# Altium PCB LimeSDR-XTRX_1v1.PcbDoc (part 6 of 8)
Units mm, origin at the board's own origin, x right, y up, seen from the top; angles counter-clockwise.
Board outline 50.8 x 29.7 mm, 8 copper layers (Top, L2, L3, L4, L5, L6, L7, Bottom), stack 0.925 mm thick; 536 components, 379 nets, 2133 pads, 899 vias.
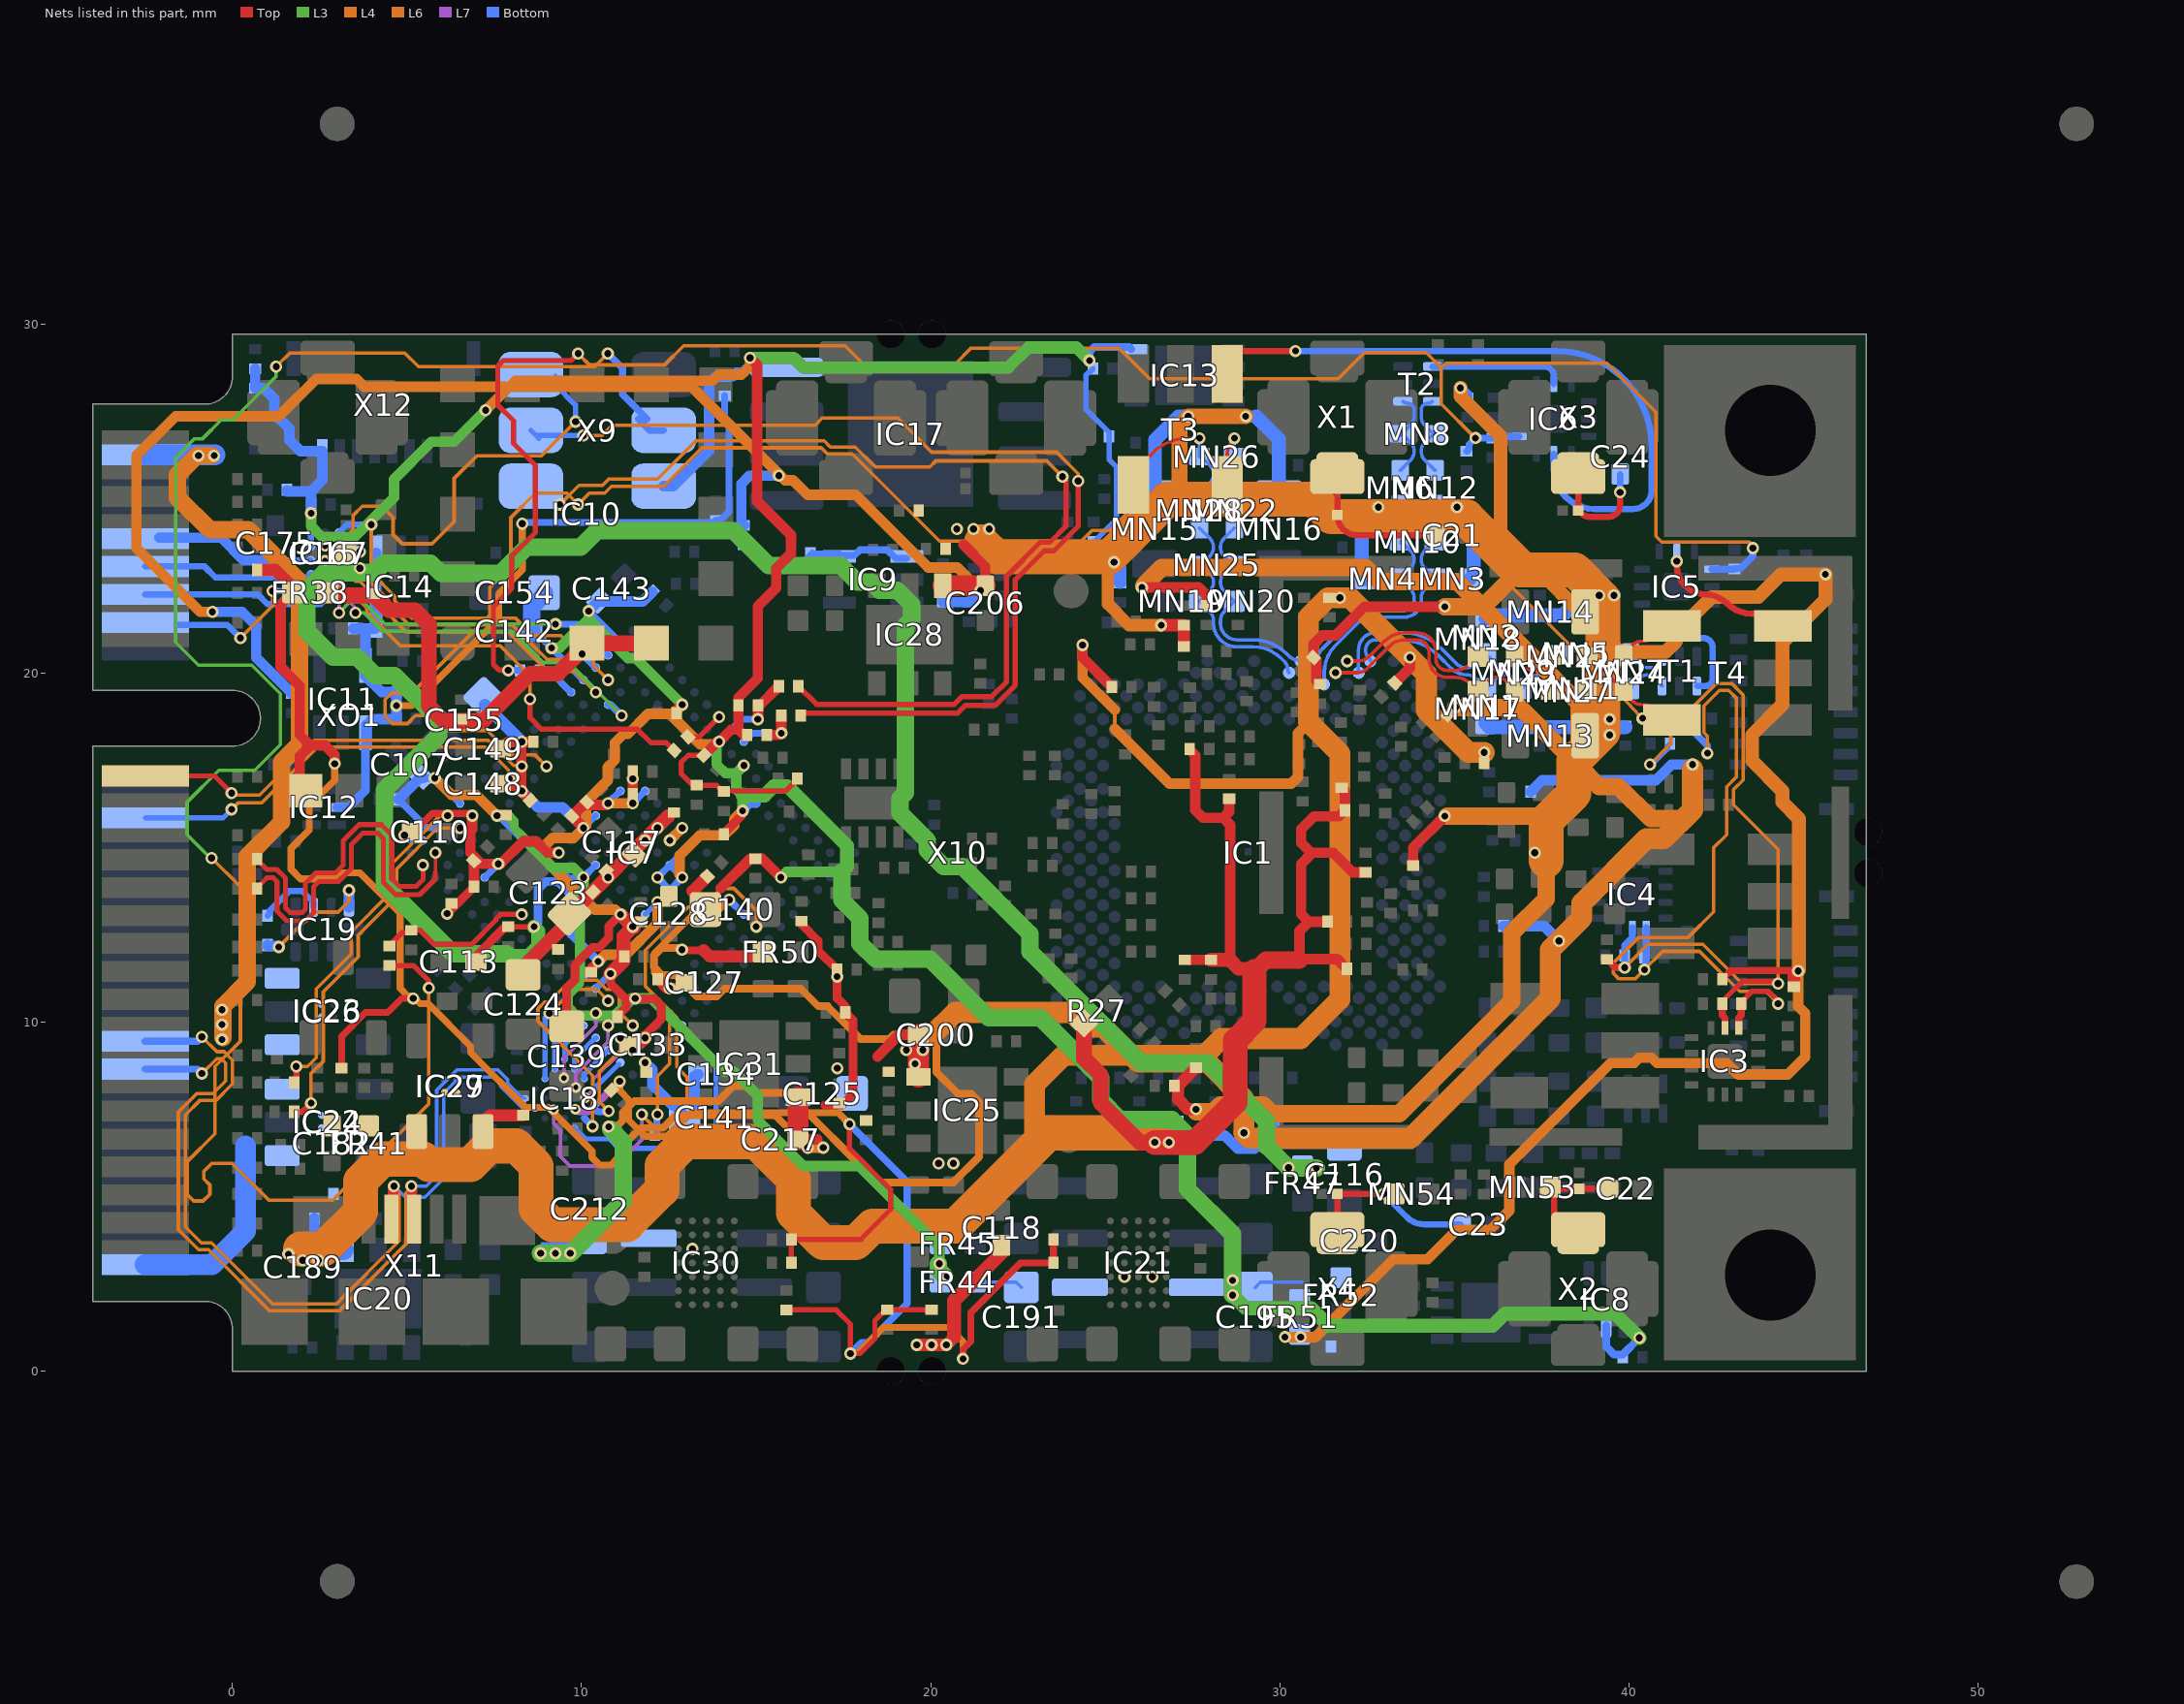
[diagram p12: the nets of this part, all layers, seen from the top]

## Via types
v1: diameter 0.35, hole 0.2, Top to Bottom, tented both sides, 751 vias
v2: diameter 0.35, hole 0.2, L5 to Bottom, tented both sides, 105 vias
v3: diameter 0.4, hole 0.2, Top to Bottom, tented both sides, 26 vias
v4: diameter 0.3, hole 0.15, L7 to Bottom, tented both sides, 13 vias
v5: diameter 0.5, hole 0.2, Top to Bottom, tented both sides, 4 vias

## Nets (pads, with @x,y where several pads share a name; then routed paths per layer and width w, separated by ;. In a path a pad name is that pad's centre, name@x,y a point inside that pad or via, vN(x,y) a via of type N, cw(c..) or ccw(c..) an arc to the next point about the centre after c; other vN are vias at no path point) (continued)
RX_SW2_DIV: C29.1 C31.1 IC3.6 IC4.6 R22.1 R26.1 | length 23.3
  Top w0.15: C29.1@42.68,10.525 42.73,10.575 42.73,10.643 43.262,11.175 v1@44.2,11.175
  Top w0.2: R26.1@39.375,11.795 39.4,11.795 39.45,11.745 39.45,11.72 39.608,11.562 39.877,11.562 v1(39.879,11.56) ; C29.1@42.68,10.525 42.68,10.195 42.75,10.125 IC3.6@42.75,9.827
  L4 w0.1: v1(39.879,11.56) 40.543,12.225 42.125,12.225 43.25,11.1 v1(44.275,11.1) 44.275,14.95 43,16.225 43,16.659 43.275,16.934 43.275,19.367 42.942,19.7 42.508,19.7 41.2,18.392 41.2,17.97 v1(40.605,17.375)
  Bottom w0.15: v1@40.63,17.35 41.105,17.825 41.105,17.9 R22.1@41.18,17.975
  Bottom w0.2: v1(39.879,11.56) C31.1@39.879,11.91 39.879,12.204 40.1,12.425 IC4.6@40.1,12.697
RX_SW3: IC7.K3 R23.2 | length 50.6
  L4 w0.1: v1(8.992,17.325) 8.667,17.65 8,17.65 7.3,18.35 5.935,18.35 5.51,18.775 5.24,18.775 5.015,18.55 4.575,18.55 4.37,18.755 4.37,19.237 4.558,19.425 5.141,19.425 7.375,21.659 7.375,22.459 7.975,23.059 7.975,24.45 8.675,25.15 9.575,25.15 v1(9.9,24.825)
  L6 w0.1: v1(9.9,24.825) 10.225,25.15 10.658,25.15 10.858,25.35 12.35,25.35 13.45,26.45 16.867,26.45 17.042,26.275 17.758,26.275 20.258,23.775 24.313,23.775 24.625,24.087 25.137,24.087 25.7,24.65 31.7,24.65 31.95,24.4 34.708,24.4 40.05,19.058 40.05,19.04 v2(40.39,18.7)
  Bottom w0.35: v2(40.39,18.7) R23.2@40.59,18.7
RX_SW3_DIV: C30.1 C32.1 IC3.5 IC4.5 R23.1 R25.1 | length 23.7
  Top w0.15: C30.1@43.22,10.573 43.522,10.875 44.002,10.875 44.275,10.602 v1@44.275,10.55
  Top w0.2: IC3.5@43.15,9.827 43.15,10.125 43.22,10.195 C30.1@43.22,10.525 C30.1@43.22,10.573
  L4 w0.1: v1(42.25,17.7) 42.25,18.19 42.15,18.29 42.15,19.06 42.59,19.5 42.86,19.5 43.075,19.285 43.075,17.017 42.8,16.742 42.8,15.367 42.429,14.996 42.429,13.154 41.7,12.425 40.284,12.425 39.55,11.691 39.55,11.4 39.715,11.235 40.18,11.235 v1(40.445,11.5) 40.97,12.025 42.025,12.025 43.175,10.875 43.925,10.875 v1(44.275,10.525)
  Bottom w0.2: v1(40.445,11.5) 40.445,11.541 40.5,11.596 IC4.5@40.5,12.697 ; R23.1@41.175,18.7 R25.1@41.815,18.7 41.815,18.36 42.25,17.925 v1(42.25,17.7)
RXA: C22.1 ESD2.1 MN53.1 X2.1 | length 3.9
  Top w0.18: MN53.1@37.75,5.225 MN53.1@37.8,5.225 ; MN53.1@37.75,5.275 MN53.1@37.8,5.225 ; X2.1@38.25,4.35 X2.1@38.55,4.05 ; X2.1@38.55,3.95 38.25,3.95 37.865,4.335 37.865,5.16 MN53.1@37.8,5.225 ; C22.1@39.35,5.075 39.2,5.225 MN53.1@37.8,5.225
RXB: C23.1 ESD4.1 MN54.1 X4.1 | length 5.2
  Top w0.18: X4.1@31.65,4.05 ESD4.1@31.65,5.075 v1(32.975,5.075) MN54.1@33.275,5.075
  Bottom w0.18: v1(32.975,5.075) 33.637,4.413 ccw(c34.152,4.929) 34.152,4.2 C23.1@35.177,4.2
SIM_CLK: IC7.T1 IC15.C1 | length 8.9
  L6 w0.1: v2@3.718,23 3.698,22.98 3.698,22.885 3.718,22.865 3.718,22.84 4.45,22.108 4.45,21.983 5.058,21.375 8.017,21.375 8.517,20.875 9.005,20.388 9.833,20.388 9.988,20.543 v2(10.017,20.543)
  Bottom w0.18: IC15.C1@3.05,23.225 3.095,23.225 3.32,23 v2(3.65,23)
  Bottom w0.2: v2(10.017,20.543) IC7.T1@10.406,20.153
SIM_DIO: IC7.T2 IC15.A1 | length 10.8
  L6 w0.1: v2(3.975,24.25) 3.975,22.866 4.65,22.191 4.65,22.066 5.141,21.575 8.1,21.575 8.6,21.075 9.4,21.075 9.575,20.9 10.125,20.9 10.342,20.683 10.342,20.218 v2(10.76,19.8)
  Bottom w0.18: IC15.A1@3.05,24.025 3.275,24.25 v2(3.975,24.25)
SIM_ENA: IC7.U1 IC15.C2 | length 10.1
  L3 w0.1: v1(3.05,21.725) 3.375,22.05 3.725,22.05 4.375,21.4 v1(9.25,21.4)
  L7 w0.1: v4(2.65,23.225) 2.875,23 2.875,22.225 3.05,22.05 v1(3.05,21.725)
  Bottom w0.2: v1(9.25,21.4) 9.866,21.4 IC7.U1@10.76,20.507
SIM_MOD: IC7.R3 IC15.B2 | length 11.6
  L3 w0.1: v1(3.525,21.725) 3.767,21.725 4.292,21.2 8,21.2 8.9,20.3 9.627,20.3 v1(11.149,18.778)
  L7 w0.1: v4(2.65,23.625) 2.674,23.625 3.075,23.224 3.075,22.308 3.525,21.858 v1(3.525,21.725)
  Bottom w0.2: IC7.R3@10.76,19.093 10.769,19.083 10.844,19.083 v1(11.149,18.778)
SIM_RST: IC7.R2 IC15.B1 | length 10
  L6 w0.1: v2(3.65,23.475) 3.325,23.15 3.325,22.825 3.525,22.625 3.65,22.625 4.25,22.025 4.25,21.9 4.975,21.175 7.9,21.175 9.025,20.05 9.802,20.05 v2(10.406,19.446)
  Bottom w0.18: IC15.B1@3.05,23.625 3.5,23.625 v2(3.65,23.475)
SMB_CLK: IC19.2 R90.2 | length 1.9
  Bottom w0.18: R90.2@1.005,13.05 1.065,13.11 1.065,13.192 1.628,13.755 1.998,13.755 2.278,13.475 2.286,13.475 2.321,13.44 IC19.2@2.321,13.29
SMB_DATA: IC19.4 R91.2 | length 3.7
  L4 w0.1: v1(1.325,12.15) 2.325,13.15 3.025,13.15 3.337,13.462 v1(3.337,13.774)
  Bottom w0.3: R91.2@1.005,12.206 1.005,12.181 1.281,12.181 1.311,12.15 v1(1.325,12.15) ; IC19.4@3.337,13.29 v1(3.337,13.774)
T0_N: C104.1 IC7.A2 | length 9.8
  Top w0.14: C104.1@0.68,14.672 0.982,14.37 ; 1.071,14.37 0.982,14.37 ; v1(5.456,14.496) 5.456,14.081 5.265,13.89 4.774,13.89 4.565,14.099 4.565,15.349 4.259,15.655 3.63,15.655 3.164,15.189 3.164,14.489 2.945,14.27 2.38,14.27 2.085,13.974 2.085,13.225 2,13.14 1.649,13.14 1.515,13.274 1.515,14.124 1.27,14.37 0.982,14.37
T0_P: C102.1 IC7.B2 | length 10.6
  Top w0.1: 5.81,14.285 v1(5.81,14.85)
  Top w0.14: C102.1@0.68,13.828 0.982,14.13 1.17,14.13 1.275,14.025 1.275,13.175 1.55,12.9 2.099,12.9 2.325,13.126 2.325,13.875 2.48,14.03 3.044,14.03 3.404,14.39 3.404,15.09 3.729,15.415 4.16,15.415 4.325,15.25 4.325,14 4.675,13.65 5.364,13.65 5.81,14.095 5.81,14.285
T1_N: C100.1 IC7.D1 | length 9.7
  Top w0.18: C100.1@1.825,8.329 v1(1.825,8.725)
  L6 w0.1: v1(1.825,8.725) 2.15,8.725 2.4,8.975 2.4,10.95 3.4,11.95 3.4,12.575 4.5,13.675 4.5,14.465 5.945,15.911 v2(6.163,15.911)
T1_P: C98.1 IC7.D2 | length 10.5
  Top w0.18: C98.1@1.742,7.428 C98.1@1.767,7.428 2.003,7.428 v1@2.15,7.575
  L6 w0.1: v1(2.25,7.675) 2.25,8.525 2.6,8.875 2.6,10.867 3.6,11.867 3.6,12.492 4.7,13.592 4.7,14.383 5.875,15.557 v2(6.517,15.557)
TCK: R39.1 X9.5 | length 58.3
  Top w0.15: R39.1@4.5,11.62 5.18,11.62 5.625,11.175 v1(5.625,10.975)
  L3 w0.1: v1(-0.6,14.7) -0.635,14.7 -1.3,15.365 -1.3,16.3 -0.389,17.211 0.636,17.211 1.375,17.95 1.375,19.4 0.55,20.225 -0.975,20.225 -1.625,20.875 -1.625,26.175 -1.088,26.712 -0.858,26.712 -0.32,27.25 0.008,27.25 1.25,28.492 v1(1.25,28.775)
  L4 w0.1: v1(1.25,28.775) 1.644,29.169 4.931,29.169 5.325,28.775 10.375,28.775 v1(10.75,29.15)
  L6 w0.1: v1(-0.6,14.7) 0.225,13.875 0.225,9.45 -0.5,8.725 -0.5,6.8 -1.3,6 -1.3,5.065 -1.109,4.875 -0.84,4.875 -0.65,5.065 -0.65,5.334 -0.825,5.51 -0.825,5.72 -0.595,5.95 -0.014,5.95 1.036,4.9 2.867,4.9 5.625,7.658 v1(5.625,10.975)
  Bottom w0.2: v1(10.75,29.15) 11.175,28.725 11.175,27.975 11.875,27.275 11.628,27.275 11.953,26.95 X9.5@12.35,26.95
TCK_0: IC7.C8 R34.2 R39.2 | length 4.5
  Top w0.15: R39.2@4.525,12.23 R39.2@4.55,12.23 ; R39.2@4.531,12.236 4.853,12.558 5.053,12.558 R34.2@5.125,12.63 5.37,12.63 5.775,12.225 6.848,12.225 7.55,12.927 7.55,12.952 7.68,13.082 v1(8.285,13.082) ; R34.2@5.175,12.655 R34.2@5.2,12.655
TDD_GPIO3_N: IC7.J2 X10.17 | length 12.1
  Top w0.14: X10.17@-2.5,17.25 -2.3,17.05 -0.52,17.05 v1(-0.025,16.555)
  L6 w0.1: v1(-0.025,16.555) 0.03,16.5 0.775,16.5 2.15,17.875 2.35,18.075 7.322,18.075 8.049,17.349 8.261,17.349 v2(8.285,17.325)
TDD_GPIO3_P: IC7.H2 X10.20 | length 11.8
  L6 w0.1: v1(-0.025,16.093) 0.157,16.275 0.833,16.275 2.433,17.875 7.24,17.875 7.907,17.207 7.907,16.995 v2(7.931,16.971)
  Bottom w0.14: X10.20@-2.5,15.85 -0.268,15.85 v1(-0.025,16.093)
TDI: R37.1 X9.2 | length 30.1
  Top w0.15: R37.1@16.28,18.775 16.355,18.85 20.775,18.85 21,19.075 21.854,19.075 22.425,19.646 22.425,22.671 23.254,23.5 23.525,23.5 24.225,24.2 v1(24.225,25.5)
  L6 w0.1: v1(10.05,26.8) 10.575,26.8 10.875,27.1 16.691,27.1 16.891,27.3 19.058,27.3 20.033,26.325 23.609,26.325 24.225,25.709 v1(24.225,25.5)
  Bottom w0.15: X9.2@8.55,26.95 X9.2@8.775,26.725 ; X9.2@8.75,26.8 v1(10.05,26.8)
TDI_0: IC7.W10 R35.2 R37.2 | length 2.1
  Top w0.3: R35.2@15.305,18.225 15.661,18.225 15.72,18.284 R37.2@15.72,18.775
  Bottom w0.2: IC7.W10@14.649,18.032 14.892,18.275 v1(15.725,18.275)
TDO: R38.1 X9.1 | length 25.6
  Top w0.15: v1(8.525,19.25) 8.525,18.711 8.847,18.389 11.604,18.389 11.993,18 12.429,18 R38.1@12.652,17.777
  L6 w0.1: v1(8.525,19.25) 8.525,19.917 7.667,20.775 4.809,20.775 3.85,21.734 3.85,21.86 3.485,22.225 3.267,22.225 2.925,22.567 2.925,23.575 3.45,24.1 3.45,24.508 3.717,24.775 4.283,24.775 4.6,24.458 4.6,23.965 4.865,23.7 5.717,23.7 6.35,24.333 6.35,25.575 7,26.225 8.85,26.225 v1(9.825,27.2)
  Bottom w0.15: X9.1@9.25,28.501 9.25,28.25 9.825,27.675 v1(9.825,27.2)
TDO_0: IC7.W8 R38.2 | length 1.1
  Top w0.15: R38.2@13.048,18.173 13.376,18.173 v1(13.942,18.739)
TMS: R41.1 X9.3 | length 29
  Top w0.15: R41.1@16.21,19.62 16.73,19.1 20.671,19.1 20.896,19.325 21.75,19.325 22.175,19.75 22.175,22.775 23.15,23.75 23.421,23.75 23.875,24.204 23.875,25.525 v1(23.775,25.625)
  L6 w0.1: v1(9.375,24.825) 9.925,25.375 10.6,25.375 10.775,25.55 12.175,25.55 13.275,26.65 16.95,26.65 17.125,26.475 17.841,26.475 18.416,25.9 19.975,25.9 20.15,26.075 23.325,26.075 v1(23.775,25.625)
TMS_0: IC7.W9 R36.2 R41.2 | length 2.1
  Top w0.3: v1(15.05,18.675) 15.055,18.68 R36.2@15.055,19.075 15.055,19.1 15.13,19.1 15.625,19.595 15.625,19.62 R41.2@15.65,19.62
  Bottom w0.2: IC7.W9@14.295,18.386 14.585,18.675 v1(15.05,18.675)
TX1_1: IC5.11 T1.1 | length 3
  Bottom w0.18: IC5.11@41.375,21.475 41.375,21.275 ccw(c41.65,21.275) 41.65,21 42.125,21 cw(c42.125,20.725) 42.4,20.725 42.4,19.837 cw(c42.188,19.837) 42.188,19.625 T1.1@41.951,19.625
TX1_1_A_N: IC1.A7 MN1.1 MN9.1 MN11.2 | length 7.2
  Bottom w0.1: IC1.A7@32.597,20.34 ccw(c32.494,20.34) 32.566,20.413 32.546,20.433 cw(c32.766,20.652) 32.456,20.652 cw(c32.766,20.652) 32.546,20.871 cw(c32.736,20.681) 32.736,20.95 33.448,20.95 cw(c33.448,19.395) 34.548,20.494 34.912,20.13 ccw(c35.347,20.565) 35.347,19.95 35.349,19.95 cw(c35.349,19.585) 35.607,19.843 MN1.1@35.9,19.55 36.193,19.843 cw(c36.451,19.585) 36.45,19.95 cw(c36.449,19.585) 36.707,19.843 MN9.1@36.95,19.6 ; MN9.1@36.925,19.575 MN9.1@36.95,19.6 ; MN9.1@36.975,19.575 MN9.1@36.95,19.6 ; MN11.2@38,19.55 37.707,19.843 ccw(c37.449,19.585) 37.45,19.95 ccw(c37.451,19.585) 37.193,19.843 MN9.1@36.95,19.6
TX1_1_A_P: IC1.B8 MN2.1 MN5.1 MN9.2 | length 7.8
  Bottom w0.1: IC1.B8@32.264,20.007 32.256,20.015 32.256,20.653 cw(c32.763,20.653) 32.404,21.012 32.405,21.013 cw(c32.735,20.683) 32.735,21.15 33.531,21.15 cw(c33.531,19.595) 34.631,20.694 35.052,20.273 ccw(c35.349,20.57) 35.349,20.15 ccw(c35.349,20.515) 35.607,20.257 MN2.1@35.875,20.525 ; MN2.1@35.9,20.55 36.193,20.257 ccw(c36.451,20.515) 36.45,20.15 ccw(c36.449,20.515) 36.707,20.257 MN9.2@36.95,20.5 ; MN9.2@36.925,20.525 MN9.2@36.95,20.5 ; MN9.2@36.975,20.525 MN9.2@36.95,20.5 ; MN5.1@38,20.55 37.707,20.257 cw(c37.449,20.515) 37.45,20.15 cw(c37.451,20.515) 37.193,20.257 MN9.2@36.95,20.5
TX1_1_B_N: MN7.2 MN11.1 T1.3 | length 2.6
  Bottom w0.1: MN11.1@39,19.55 39.293,19.843 cw(c39.551,19.585) 39.55,19.95 cw(c39.549,19.585) 39.807,19.843 MN7.2@40.05,19.6 ; MN7.2@40.025,19.575 MN7.2@40.05,19.6 ; MN7.2@40.075,19.575 MN7.2@40.05,19.6 ; T1.3@40.951,19.625 cw(c41.072,19.746) 40.901,19.746 ccw(c40.697,19.746) 40.697,19.95 40.551,19.95 ccw(c40.551,19.585) 40.293,19.843 MN7.2@40.05,19.6
TX1_1_B_P: MN5.2 MN7.1 T1.4 | length 2.6
  Bottom w0.1: MN5.2@39,20.55 39.293,20.257 ccw(c39.551,20.515) 39.55,20.15 ccw(c39.549,20.515) 39.807,20.257 MN7.1@40.05,20.5 ; MN7.1@40.025,20.525 MN7.1@40.05,20.5 ; MN7.1@40.075,20.525 MN7.1@40.05,20.5 ; T1.4@40.951,20.475 ccw(c41.072,20.354) 40.901,20.354 cw(c40.697,20.354) 40.697,20.15 40.551,20.15 cw(c40.551,20.515) 40.293,20.257 MN7.1@40.05,20.5
TX1_2: IC5.5 T4.1 | length 3.1
  Top w0.18: v1(41.375,23.2) 41.375,23.071 ccw(c42.196,23.071) 42.196,22.25 cw(c42.196,21.396) 42.8,22 ccw(c43.524,22.724) 43.524,21.7 T4.1@43.675,21.7 ; T4.1@44.346,21.414 T4.1@44.415,21.345
TX1_2_A_N: IC1.B10 MN17.1 MN23.2 MN27.1 | length 8
  Top w0.1: v1(31.597,20.007) 32.218,20.007 ccw(c32.218,20.402) 32.498,20.123 33.148,20.773 cw(c33.575,20.346) 33.575,20.95 33.925,20.95 cw(c33.925,20.6) 34.275,20.6 34.275,20.4 ccw(c34.8,20.4) 34.8,19.875 35.012,19.875 cw(c35.012,19.24) 35.461,19.689 MN17.1@35.675,19.475 35.968,19.768 cw(c36.226,19.51) 36.225,19.875 cw(c36.224,19.51) 36.482,19.768 36.725,19.525 MN23.2@36.7,19.5 ; MN23.2@36.7,19.5 36.968,19.768 cw(c37.226,19.51) 37.225,19.875 cw(c37.224,19.51) 37.482,19.768 MN27.1@37.775,19.475
TX1_2_A_P: IC1.A9 MN18.1 MN21.2 MN23.1 | length 7.7
  Top w0.1: v1(31.931,20.34) 32.217,20.34 ccw(c32.217,20.86) 32.584,20.492 ; 32.631,20.539 32.585,20.492 ; MN21.2@37.775,20.475 37.482,20.182 cw(c37.224,20.44) 37.225,20.075 cw(c37.226,20.44) 36.968,20.182 36.7,20.45 36.725,20.425 36.482,20.182 cw(c36.224,20.44) 36.225,20.075 cw(c36.226,20.44) 35.968,20.182 MN18.1@35.675,20.475 35.461,20.261 cw(c35.012,20.71) 35.012,20.075 34.8,20.075 cw(c34.8,20.4) 34.475,20.4 34.475,20.6 ccw(c33.925,20.6) 33.925,21.15 33.574,21.15 ccw(c33.574,20.348) 33.007,20.915 32.584,20.492
TX1_2_B_N: MN24.1 MN27.2 T4.4 | length 3.1
  Top w0.1: MN27.2@38.775,19.475 39.068,19.768 cw(c39.326,19.51) 39.326,19.875 ; 39.324,19.875 cw(c39.324,19.51) 39.582,19.768 MN24.1@39.85,19.5 ccw(c39.971,19.5) 39.885,19.415 40.112,19.188 ccw(c40.325,19.402) 40.325,19.1 cw(c40.325,17.977) 41.119,18.771 T4.4@41.235,18.655
TX1_2_B_P: MN21.1 MN24.2 T4.6 | length 3.1
  Top w0.1: MN21.1@38.775,20.475 39.068,20.182 ccw(c39.326,20.44) 39.326,20.075 ; 39.324,20.075 ccw(c39.324,20.44) 39.582,20.182 MN24.2@39.85,20.45 ; MN24.2@39.85,20.5 cw(c39.971,20.5) 39.885,20.585 40.112,20.812 cw(c40.325,20.598) 40.325,20.9 ccw(c40.325,22.023) 41.119,21.229 T4.6@41.235,21.345
TX2_1: IC6.11 T2.1 | length 3.9
  Bottom w0.18: T2.1@34.375,28.78 37.575,28.78 cw(c37.575,28.505) 37.85,28.505 IC6.11@37.85,28.275
TX2_1_A_N: IC1.C11 MN3.1 MN10.1 MN12.2 | length 7.8
  Bottom w0.1: IC1.C11@31.264,19.674 31.272,19.682 31.272,20.007 cw(c32.377,20.007) 31.596,20.788 32.263,21.455 cw(c32.612,21.106) 32.612,21.6 33.575,21.6 ccw(c33.575,22.075) 34.05,22.075 34.05,22.149 cw(c34.415,22.149) 34.157,22.407 MN3.1@34.45,22.7 34.157,22.993 cw(c34.415,23.251) 34.05,23.25 cw(c34.415,23.249) 34.157,23.507 MN10.1@34.4,23.75 ; MN10.1@34.425,23.725 MN10.1@34.4,23.75 ; MN10.1@34.425,23.775 MN10.1@34.4,23.75 ; MN12.2@34.45,24.8 34.157,24.507 ccw(c34.415,24.249) 34.05,24.25 ccw(c34.415,24.251) 34.157,23.993 MN10.1@34.4,23.75
TX2_1_A_P: IC1.B12 MN4.1 MN6.1 MN10.2 | length 7.5
  Bottom w0.1: IC1.B12@30.931,20.007 cw(c31.034,20.007) 30.962,20.08 ccw(c30.694,20.347) 31.072,20.347 cw(c31.555,20.347) 31.214,20.689 32.122,21.597 cw(c32.612,21.108) 32.612,21.8 33.575,21.8 ccw(c33.575,22.075) 33.85,22.075 33.85,22.149 ccw(c33.485,22.149) 33.743,22.407 MN4.1@33.475,22.675 ; MN4.1@33.45,22.7 33.743,22.993 ccw(c33.485,23.251) 33.85,23.25 ccw(c33.485,23.249) 33.743,23.507 MN10.2@33.5,23.75 ; MN6.1@33.45,24.8 33.743,24.507 cw(c33.485,24.249) 33.85,24.25 cw(c33.485,24.251) 33.743,23.993 MN10.2@33.5,23.75 ; MN10.2@33.475,23.725 MN10.2@33.5,23.75 ; MN10.2@33.475,23.775 MN10.2@33.5,23.75
TX2_1_B_N: MN8.2 MN12.1 T2.3 | length 2.7
  Bottom w0.1: 34.05,26.349 cw(c34.415,26.349) 34.157,26.607 MN8.2@34.4,26.85 ; 34.05,26.351 ccw(c34.415,26.351) 34.157,26.093 MN12.1@34.45,25.8 ; T2.3@34.375,27.78 cw(c34.254,27.901) 34.254,27.73 ccw(c34.254,27.526) 34.05,27.526 34.05,27.351 ccw(c34.415,27.351) 34.157,27.093 MN8.2@34.4,26.85 ; MN8.2@34.425,26.825 MN8.2@34.4,26.85 ; MN8.2@34.425,26.875 MN8.2@34.4,26.85
TX2_1_B_P: MN6.2 MN8.1 T2.4 | length 2.7
  Bottom w0.1: MN6.2@33.45,25.8 33.743,26.093 ccw(c33.485,26.351) 33.85,26.351 ; MN8.1@33.475,26.825 MN8.1@33.5,26.85 ; MN8.1@33.475,26.875 MN8.1@33.5,26.85 ; T2.4@33.525,27.78 ccw(c33.646,27.901) 33.646,27.73 cw(c33.646,27.526) 33.85,27.526 33.85,27.351 cw(c33.485,27.351) 33.743,27.093 MN8.1@33.5,26.85 ; 33.85,26.349 ccw(c33.485,26.349) 33.743,26.607 MN8.1@33.5,26.85
TX2_2: IC6.5 T3.3 | length 19.2
  Top w0.18: T3.3@28.495,29.065 28.68,29.25 28.705,29.225 v1(30.45,29.225)
  Bottom w0.18: v1(30.45,29.225) 37.928,29.225 cw(c37.928,26.503) 40.65,26.503 40.65,25.225 cw(c40.125,25.225) 40.125,24.7 39.013,24.7 cw(c39.013,25.862) 37.85,25.862 IC6.5@37.85,26.275
TX2_2_A_N: IC1.B14 MN19.1 MN25.2 MN28.1 | length 6.4
  Bottom w0.1: MN19.1@27.7,22.05 27.993,22.343 ccw(c27.735,22.601) 28.1,22.6 ccw(c27.735,22.599) 27.993,22.857 MN25.2@27.75,23.1 ; MN28.1@27.7,24.15 27.993,23.857 cw(c27.735,23.599) 28.1,23.6 cw(c27.735,23.601) 27.993,23.343 MN25.2@27.75,23.1 ; MN19.1@27.725,22.025 27.993,21.757 cw(c27.735,21.499) 28.1,21.499 28.1,21.425 ccw(c28.775,21.425) 28.775,20.75 29.225,20.75 cw(c29.225,19.569) 30.06,20.404 30.13,20.334 cw(c29.885,20.089) 30.231,20.089 ccw(c30.348,20.089) IC1.B14@30.265,20.007 ; MN25.2@27.725,23.125 MN25.2@27.75,23.1 ; MN25.2@27.75,23.1 27.725,23.075 MN25.2@27.75,23.1
TX2_2_A_P: IC1.A13 MN20.1 MN22.2 MN25.1 | length 6.3
  Bottom w0.1: MN25.1@28.675,23.125 MN25.1@28.65,23.1 ; MN22.2@28.7,24.15 28.407,23.857 ccw(c28.665,23.599) 28.3,23.6 ccw(c28.665,23.601) 28.407,23.343 MN25.1@28.65,23.1 ; IC1.A13@30.598,20.34 ccw(c30.516,20.258) 30.516,20.374 cw(c30.516,20.72) 30.271,20.476 30.201,20.546 ccw(c29.225,19.57) 29.225,20.95 28.775,20.95 cw(c28.775,21.425) 28.3,21.425 28.3,21.499 cw(c28.665,21.499) 28.407,21.757 MN20.1@28.7,22.05 28.407,22.343 cw(c28.665,22.601) 28.3,22.6 cw(c28.665,22.599) 28.407,22.857 MN25.1@28.65,23.1 ; MN25.1@28.65,23.1 28.675,23.075 MN25.1@28.65,23.1
TX2_2_B_N: MN26.1 MN28.2 T3.6 | length 4.5
  Top w0.1: T3.6@25.805,25.385 cw(c26.698,25.385) 26.067,26.017 26.35,26.3 cw(c27.376,25.274) 27.376,26.725 v1(27.7,26.725)
  Bottom w0.1: MN28.2@27.7,25.15 27.993,25.443 ccw(c27.735,25.701) 28.1,25.7 ccw(c27.735,25.699) 27.993,25.957 MN26.1@27.725,26.225 ; MN26.1@27.7,26.2 v1(27.7,26.725)
TX2_2_B_P: MN22.1 MN26.2 T3.4 | length 2.4
  Top w0.1: 28.495,26.23 cw(c29.195,26.23) v1(28.7,26.725)
  Bottom w0.1: MN26.2@28.675,26.225 28.407,25.957 ccw(c28.665,25.699) 28.3,25.7 ccw(c28.665,25.701) 28.407,25.443 MN22.1@28.7,25.15 ; MN26.2@28.7,26.2 v1(28.7,26.725)
TX_SW: IC7.P1 R21.2 | length 1.2
  Bottom w0.2: R21.2@8.798,20.075 9.07,20.075 IC7.P1@9.699,19.446
TX_SW_DIV: C25.1 C26.1 IC5.7 IC6.7 R21.1 R24.1 | length 58
  Top w0.15: v1(7.9,20.075) 7.892,20.083 7.642,20.083 7.475,20.25 7.475,21.9 8,22.425 8,23.35 8.675,24.025 8.675,25.95 8.05,26.575 8.05,27.225 7.6,27.675 7.6,28.797 7.753,28.95 9.7,28.95 v1(9.9,29.15)
  L6 w0.1: v1(9.9,29.15) 10.225,28.825 12.375,28.825 12.925,29.375 17.55,29.375 18.05,28.875 20.725,28.875 21.15,29.3 25.4,29.3 26.275,28.425 31.675,28.425 32.425,29.175 34.19,29.175 34.625,28.74 ; v1(35.605,26.73) 34.625,27.71 34.625,28.74 ; v2@43.55,23.65 43.45,23.75 40.938,23.75 40.775,23.913 40.775,27.475 39.375,28.875 34.76,28.875 34.625,28.74
  Bottom w0.2: v1(7.9,20.075) R21.1@8.238,20.075 ; R24.1@35.35,26.355 35.375,26.355 35.425,26.405 35.425,26.55 v1(35.605,26.73) C26.1@36.1,26.73 ; C26.1@36.1,26.775 IC6.7@36.85,26.775 ; IC5.7@42.375,22.975 C25.1@43.02,22.975 43.034,22.989 43.189,22.989 43.55,23.35 v2(43.55,23.575)
TXA: C21.1 ESD1.1 X1.1 | length 4.3
  Top w0.18: X1.1@31.65,25.725 X1.1@31.65,25.625 ESD1.1@31.65,24.525 ccw(c32.225,24.525) 32.225,23.95 C21.1@34.425,23.95